# KiCad board vme-wren.kicad_pcb (continued)
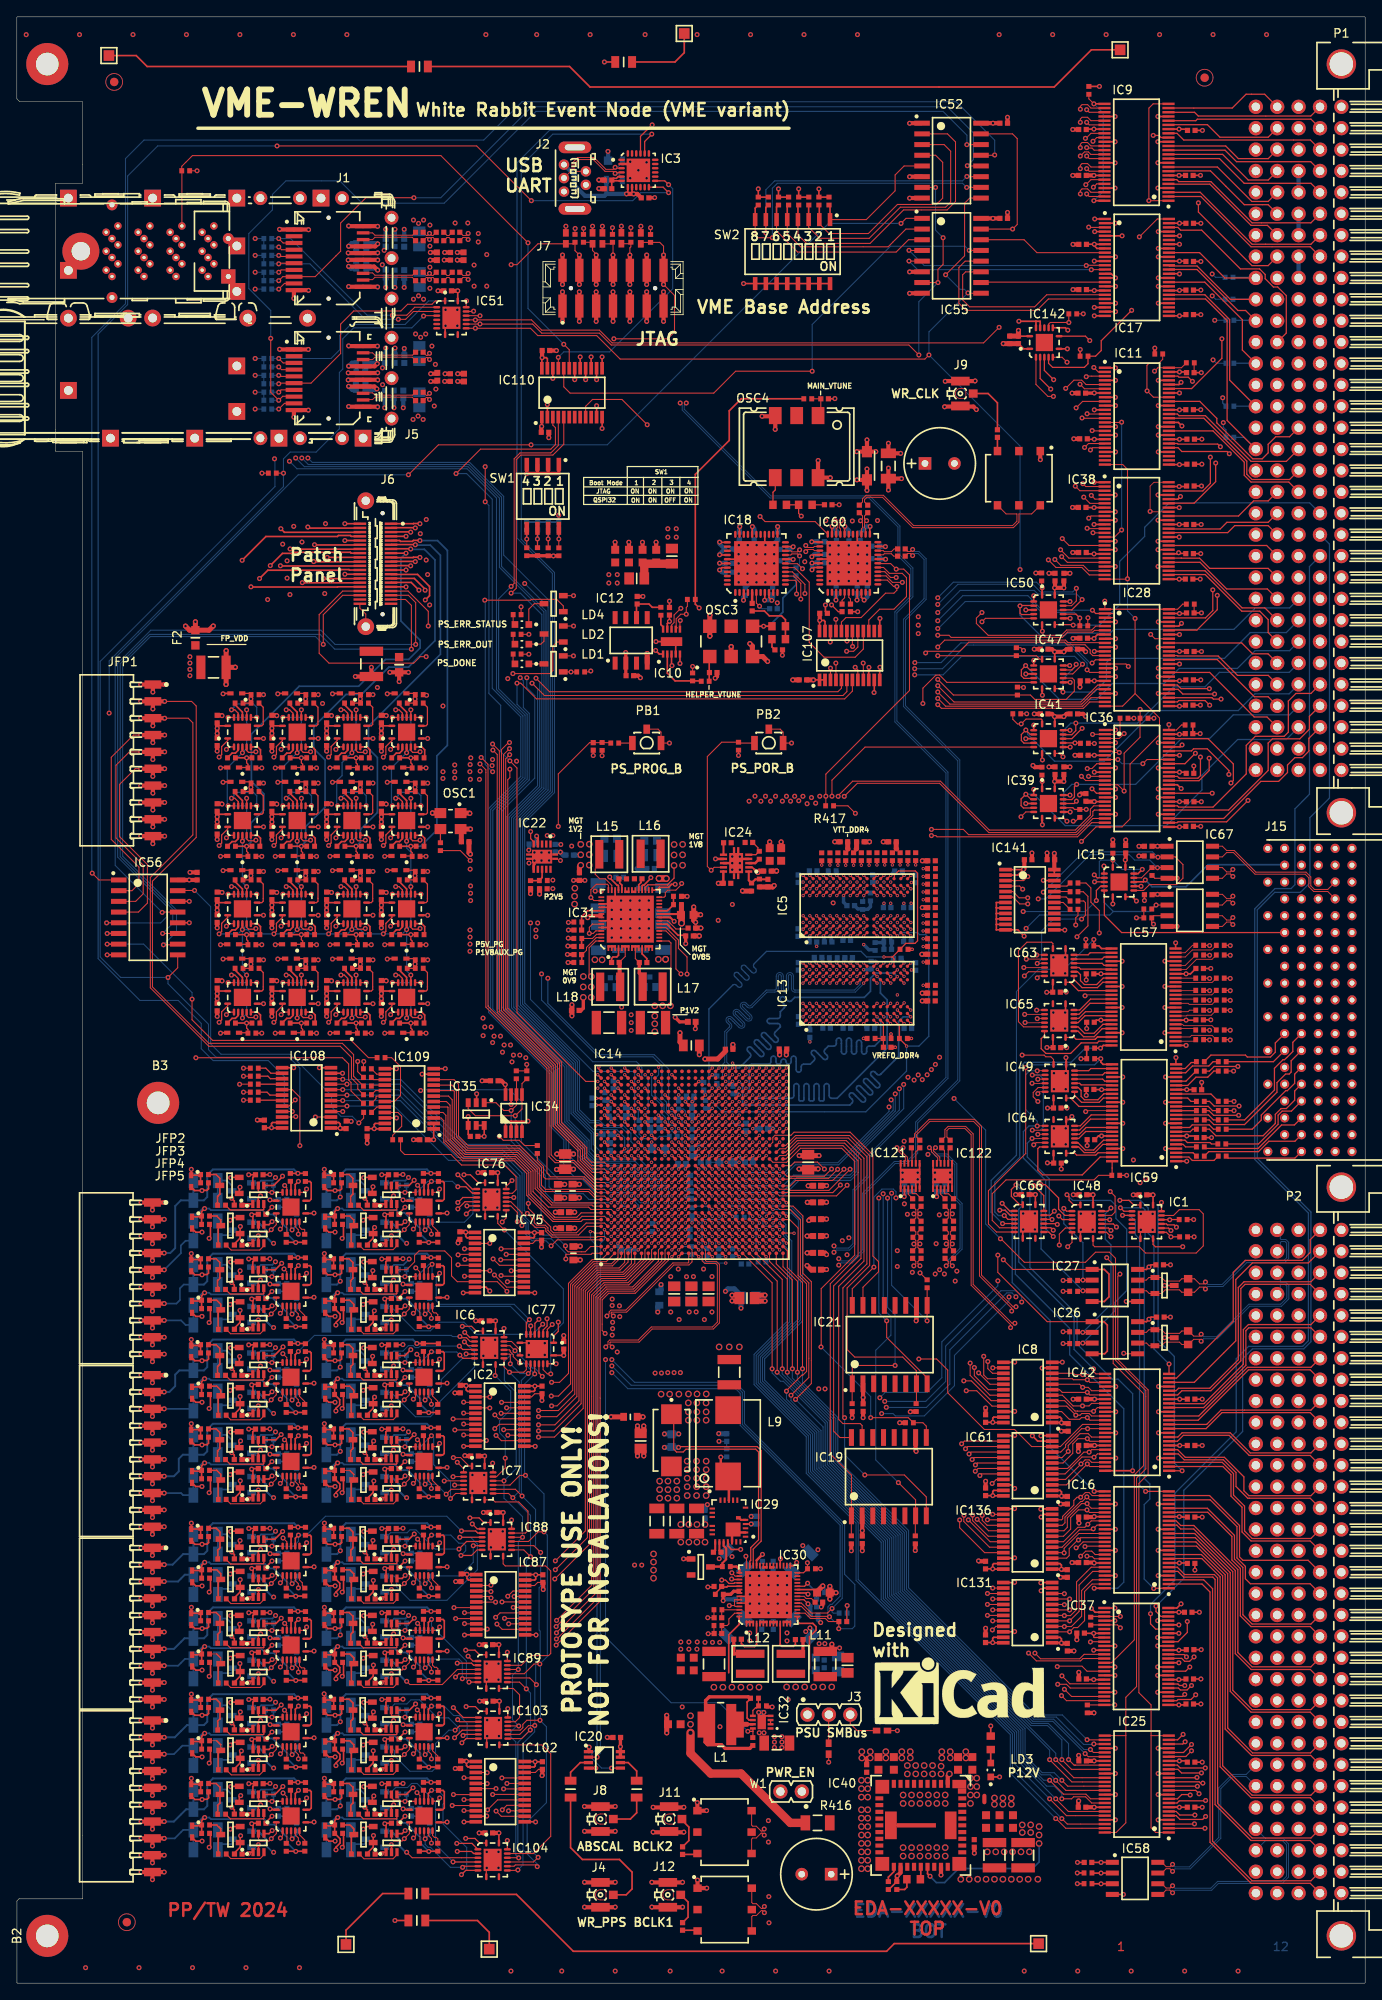
[diagram p0: board, top side]
## Nets (continued)
/fpga/fpga-config/PS_ERR_STATUS: IC14.M20 T4.1
/fpga/fpga-config/PS_INIT_B: IC14.P21 R9.1
/fpga/fpga-config/PS_MODE0: IC14.P19 R7.1 R160.2 SW1.8
/fpga/fpga-config/PS_MODE1: IC14.P20 R24.1 R161.2 SW1.7
/fpga/fpga-config/PS_MODE2: IC14.R20 R118.1 R162.2 SW1.6
/fpga/fpga-config/PS_MODE3: IC14.T20 R128.1 R163.2 SW1.5
/fpga/fpga-config/PS_PROG_B: C302.2 IC14.R17 R170.1 R191.1
/fpga/fpga-config/PS_SRST_B: D1.1 IC14.N19 J7.14 R46.1
/fpga/fpga-hd-banks/F_SFP_LED_DATA: IC14.A10 R193.1
/fpga/fpga-hp-banks/F_FP_LED0_DATA: IC14.A8 IC109.7
/fpga/fpga-hp-banks/F_FP_LED1_DATA: IC14.B8 IC109.8
/fpga/fpga-hp-banks/F_IOEXP_ALL_OE_N: IC14.K7 IC108.3
/fpga/fpga-hp-banks/F_IOEXP_ALL_RST_N: IC14.A2 IC108.7
/fpga/fpga-hp-banks/F_IOEXP_FPIO_D: IC14.B6 IC109.4
/fpga/fpga-hp-banks/F_IOEXP_FPIO_RCLK: IC14.A5 IC108.9
/fpga/fpga-hp-banks/F_IOEXP_FPIO_SCLK: IC14.B5 IC108.10
/fpga/fpga-hp-banks/F_IOEXP_GPIO_D: IC14.C7 IC109.6
/fpga/fpga-hp-banks/F_IOEXP_GPIO_Q: IC14.G8 IC110.3
/fpga/fpga-hp-banks/F_IOEXP_GPIO_RCLK: IC14.A6 IC109.3
/fpga/fpga-hp-banks/F_IOEXP_GPIO_SCLK: IC14.A7 IC109.5
/fpga/fpga-hp-banks/F_IOEXP_HWBYTE1_D: IC14.V9 IC141.4
/fpga/fpga-hp-banks/F_IOEXP_HWBYTE1_RCLK: IC14.L7 IC141.5
/fpga/fpga-hp-banks/F_IOEXP_HWBYTE2_D: IC14.AE8 IC141.3
/fpga/fpga-hp-banks/F_IOEXP_HWBYTE2_RCLK: IC14.L1 IC141.6
/fpga/fpga-hp-banks/F_IOEXP_VME_D: IC14.B3 IC108.8
/fpga/fpga-hp-banks/F_IOEXP_VME_RCLK: IC14.A3 IC108.5
/fpga/fpga-hp-banks/F_IOEXP_VME_SCLK: IC14.A1 IC108.6
/fpga/fpga-hp-banks/F_PERST_N: IC14.L8 IC110.5
/fpga/fpga-hp-banks/F_PP_LED0_DATA: IC14.A9 IC109.9
/fpga/fpga-hp-banks/F_PP_LED1_DATA: IC14.B9 IC109.10
/fpga/fpga-hp-banks/F_SPI_HELPER_CS_N: IC14.M8 IC107.8
/fpga/fpga-hp-banks/F_SPI_MAIN_CS_N: IC14.N8 IC107.9
/fpga/fpga-hp-banks/F_WR_DAC_DIN: IC14.J7 IC107.6
/fpga/fpga-hp-banks/F_WR_DAC_SCLK: IC14.K9 IC107.5
/fpga/fpga-hp-banks/F_WR_DAC_SYNC: IC14.H8 IC107.7
/fpga/fpga-hp-banks/F_WR_UART_RXD: IC14.F8 IC108.4
/fpga/fpga-hp-banks/F_WR_UART_TXD: IC14.H9 IC110.4
/fpga/fpga-hp-banks/F_WRCLK_SPI_MISO: IC14.P9 IC110.9
/fpga/fpga-hp-banks/F_WRCLK_SPI_MOSI: IC14.N7 IC107.3
/fpga/fpga-hp-banks/F_WRCLK_SPI_SCK: IC14.N9 IC107.4
/fpga/fpga-hp-banks/HP4: IC14.AE7
/fpga/fpga-hp-banks/HP9: IC14.AB7
/fpga/fpga-hp-banks/HP50: IC14.U9
/fpga/fpga-hp-banks/HP54: IC14.R8
/fpga/fpga-hp-banks/HP55: IC14.T8
/fpga/fpga-hp-banks/HP72: IC14.J6
/fpga/fpga-hp-banks/HP98: IC14.K5
/fpga/fpga-hp-banks/HP132: IC14.C8
/fpga/fpga-mgts/BCLK_B1_DBG_N: C482.1 TR3.4
/fpga/fpga-mgts/BCLK_B1_DBG_P: C484.1 TR3.6
/fpga/fpga-mgts/BCLK_B2_DBG_N: C472.1 TR1.4
/fpga/fpga-mgts/BCLK_B2_DBG_P: C473.1 TR1.6
/fpga/fpga-mgts/IC121_O1_N: C481.2 IC121.10
/fpga/fpga-mgts/IC121_O1_P: C483.2 IC121.11
/fpga/fpga-mgts/IC122_O1_N: C470.2 IC122.10
/fpga/fpga-mgts/IC122_O1_P: C471.2 IC122.11
/fpga/fpga-mgts/SansDAC_BCLK_B1_N: C476.2 C479.2 IC14.W3
/fpga/fpga-mgts/SansDAC_BCLK_B1_P: C477.2 C480.2 IC14.W4
/fpga/fpga-mgts/SansDAC_BCLK_B2_N: C469.2 C474.2 IC14.U3
/fpga/fpga-mgts/SansDAC_BCLK_B2_P: C468.2 C475.2 IC14.U4
/fpga/GTH_BCLK_B1_N: C479.1 C481.1 IC14.AF6 R444.1
/fpga/GTH_BCLK_B1_P: C480.1 C483.1 IC14.AF7 R444.2
/fpga/GTH_BCLK_B2_N: C470.1 C474.1 IC14.AF5 R445.2
/fpga/GTH_BCLK_B2_P: C471.1 C475.1 IC14.AE5 R445.1
/fpga/PL_UART_RXD: IC3.12 IC108.21
/fpga/PL_UART_TXD: IC3.13 IC110.21
/fpga/PS_POR_B: IC14.P16 IC24.9 PB2.2 R168.1
/fpga/PS_UART_RXD: IC3.20 IC14.H16
/fpga/PS_UART_TXD: IC3.21 IC14.F16
/fpga/USERIO_A.DIR0: IC1.15 IC42.1
/fpga/USERIO_A.DIR1: IC1.1 IC42.24
/fpga/USERIO_A.DIR2: IC1.2 IC16.1
/fpga/USERIO_A.DIR3: IC1.3 IC16.24
/fpga/USERIO_A.IO0: IC14.T6 IC42.46 IC61.4
/fpga/USERIO_A.IO1: IC14.U8 IC42.47 IC61.3
/fpga/USERIO_A.IO2: IC14.V8 IC42.44 IC61.5
/fpga/USERIO_A.IO3: IC14.Y8 IC42.43 IC61.6
/fpga/USERIO_A.IO4: IC14.AB5 IC42.41 IC61.7
/fpga/USERIO_A.IO5: IC14.W8 IC42.40 IC61.8
/fpga/USERIO_A.IO6: IC14.AC4 IC42.38 IC61.9
/fpga/USERIO_A.IO7: IC14.E8 IC42.37 IC61.10
/fpga/USERIO_A.IO8: IC8.4 IC14.AB2 IC42.35
/fpga/USERIO_A.IO9: IC8.3 IC14.AB4 IC42.36
/fpga/USERIO_A.IO10: IC8.5 IC14.AB3 IC42.33
/fpga/USERIO_A.IO11: IC8.6 IC14.AC2 IC42.32
/fpga/USERIO_A.IO12: IC8.7 IC14.AC3 IC42.30
/fpga/USERIO_A.IO13: IC8.8 IC14.AD2 IC42.29
/fpga/USERIO_A.IO14: IC8.9 IC14.AD4 IC42.27
/fpga/USERIO_A.IO15: IC8.10 IC14.AE2 IC42.26
/fpga/USERIO_A.IO16: IC14.M6 IC16.46 IC131.4
/fpga/USERIO_A.IO17: IC14.E7 IC16.47 IC131.3
/fpga/USERIO_A.IO18: IC14.G5 IC16.44 IC131.5
/fpga/USERIO_A.IO19: IC14.L6 IC16.43 IC131.6
/fpga/USERIO_A.IO20: IC14.J5 IC16.41 IC131.7
/fpga/USERIO_A.IO21: IC14.K3 IC16.40 IC131.8
/fpga/USERIO_A.IO22: IC14.K4 IC16.38 IC131.9
/fpga/USERIO_A.IO23: IC14.L3 IC16.37 IC131.10
/fpga/USERIO_A.IO24: IC14.J4 IC16.35 IC136.4
/fpga/USERIO_A.IO25: IC14.L5 IC16.36 IC136.3
/fpga/USERIO_A.IO26: IC14.N6 IC16.33 IC136.5
/fpga/USERIO_A.IO27: IC14.P7 IC16.32 IC136.6
/fpga/USERIO_A.IO28: IC14.P6 IC16.30 IC136.7
/fpga/USERIO_A.IO29: IC14.R7 IC16.29 IC136.8
/fpga/USERIO_A.IO30: IC14.R6 IC16.27 IC136.9
/fpga/USERIO_A.IO31: IC14.T7 IC16.26 IC136.10
/fpga/USERIO_A.OE_N0: IC42.48 IC66.15
/fpga/USERIO_A.OE_N1: IC42.25 IC66.1
/fpga/USERIO_A.OE_N2: IC16.48 IC66.2
/fpga/USERIO_A.OE_N3: IC16.25 IC66.3
/I2C.SCL: D8.1 IC14.H21 IC30.18 IC31.18 J3.3 R25.1
/I2C.SDA: D7.1 IC14.L20 IC30.19 IC31.19 J3.2 R26.1
/io_drivers_fp/bank0/EN0: IC23.1 IC23.4 IC33.5 IC76.2 R6.1
/io_drivers_fp/bank0/EN1: IC23.10 IC23.13 IC43.5 IC76.3 R10.1
/io_drivers_fp/bank0/EN2: IC44.1 IC44.4 IC45.5 IC76.6 R197.1
/io_drivers_fp/bank0/EN3: IC44.10 IC44.13 IC46.5 IC76.7 R48.1
/io_drivers_fp/bank0/EN4: IC53.1 IC53.4 IC54.5 IC77.2 R198.1
/io_drivers_fp/bank0/EN5: IC53.10 IC53.13 IC68.5 IC77.3 R49.1
/io_drivers_fp/bank0/EN6: IC69.1 IC69.4 IC70.5 IC77.6 R203.1
/io_drivers_fp/bank0/EN7: IC69.10 IC69.13 IC71.5 IC77.7 R140.1
/io_drivers_fp/bank0/OUT0: IC23.2 IC23.5 IC75.21
/io_drivers_fp/bank0/OUT1: IC23.9 IC23.12 IC75.20
/io_drivers_fp/bank0/OUT2: IC44.2 IC44.5 IC75.19
/io_drivers_fp/bank0/OUT3: IC44.9 IC44.12 IC75.18
/io_drivers_fp/bank0/OUT4: IC53.2 IC53.5 IC75.17
/io_drivers_fp/bank0/OUT5: IC53.9 IC53.12 IC75.16
/io_drivers_fp/bank0/OUT6: IC69.2 IC69.5 IC75.15
/io_drivers_fp/bank0/OUT7: IC69.9 IC69.12 IC75.14
/io_drivers_fp/bank0/TERM_EN0: IC76.15 T40.1
/io_drivers_fp/bank0/TERM_EN1: IC76.1 T5.1
/io_drivers_fp/bank0/TERM_EN2: IC76.4 T41.1
/io_drivers_fp/bank0/TERM_EN3: IC76.5 T7.1
/io_drivers_fp/bank0/TERM_EN4: IC77.15 T42.1
/io_drivers_fp/bank0/TERM_EN5: IC77.1 T9.1
/io_drivers_fp/bank0/TERM_EN6: IC77.4 T43.1
/io_drivers_fp/bank0/TERM_EN7: IC77.5 T11.1
/io_drivers_fp/bank1/EN0: IC6.2 IC78.1 IC78.4 IC79.5 R585.1
/io_drivers_fp/bank1/EN1: IC6.3 IC78.10 IC78.13 IC80.5 R154.1
/io_drivers_fp/bank1/EN2: IC6.6 IC81.1 IC81.4 IC82.5 R586.1
/io_drivers_fp/bank1/EN3: IC6.7 IC81.10 IC81.13 IC83.5 R155.1
/io_drivers_fp/bank1/EN4: IC7.2 IC84.1 IC84.4 IC85.5 R587.1
/io_drivers_fp/bank1/EN5: IC7.3 IC84.10 IC84.13 IC86.5 R177.1
/io_drivers_fp/bank1/EN6: IC7.6 IC72.1 IC72.4 IC73.5 R388.1
/io_drivers_fp/bank1/EN7: IC7.7 IC72.10 IC72.13 IC74.5 R141.1
/io_drivers_fp/bank1/IOEXP_D: IC6.14 IC77.9
/io_drivers_fp/bank1/OUT0: IC2.21 IC78.2 IC78.5
/io_drivers_fp/bank1/OUT1: IC2.20 IC78.9 IC78.12
/io_drivers_fp/bank1/OUT2: IC2.19 IC81.2 IC81.5
/io_drivers_fp/bank1/OUT3: IC2.18 IC81.9 IC81.12
/io_drivers_fp/bank1/OUT4: IC2.17 IC84.2 IC84.5
/io_drivers_fp/bank1/OUT5: IC2.16 IC84.9 IC84.12
/io_drivers_fp/bank1/OUT6: IC2.15 IC72.2 IC72.5
/io_drivers_fp/bank1/OUT7: IC2.14 IC72.9 IC72.12
/io_drivers_fp/bank1/TERM_EN0: IC6.15 T45.1
/io_drivers_fp/bank1/TERM_EN1: IC6.1 T15.1
/io_drivers_fp/bank1/TERM_EN2: IC6.4 T46.1
/io_drivers_fp/bank1/TERM_EN3: IC6.5 T19.1
/io_drivers_fp/bank1/TERM_EN4: IC7.15 T47.1
/io_drivers_fp/bank1/TERM_EN5: IC7.1 T21.1
/io_drivers_fp/bank1/TERM_EN6: IC7.4 T44.1
/io_drivers_fp/bank1/TERM_EN7: IC7.5 T13.1
/io_drivers_fp/bank2/EN0: IC88.2 IC96.1 IC96.4 IC97.5 R590.1
/io_drivers_fp/bank2/EN1: IC88.3 IC96.10 IC96.13 IC98.5 R273.1
/io_drivers_fp/bank2/EN2: IC88.6 IC90.1 IC90.4 IC91.5 R588.1
/io_drivers_fp/bank2/EN3: IC88.7 IC90.10 IC90.13 IC92.5 R178.1
/io_drivers_fp/bank2/EN4: IC89.2 IC93.1 IC93.4 IC94.5 R589.1
/io_drivers_fp/bank2/EN5: IC89.3 IC93.10 IC93.13 IC95.5 R196.1
/io_drivers_fp/bank2/EN6: IC89.6 IC99.1 IC99.4 IC100.5 R591.1
/io_drivers_fp/bank2/EN7: IC89.7 IC99.10 IC99.13 IC101.5 R274.1
/io_drivers_fp/bank2/IOEXP_D: IC7.9 IC88.14
/io_drivers_fp/bank2/OUT0: IC87.21 IC96.2 IC96.5
/io_drivers_fp/bank2/OUT1: IC87.20 IC96.9 IC96.12
/io_drivers_fp/bank2/OUT2: IC87.19 IC90.2 IC90.5
/io_drivers_fp/bank2/OUT3: IC87.18 IC90.9 IC90.12
/io_drivers_fp/bank2/OUT4: IC87.17 IC93.2 IC93.5
/io_drivers_fp/bank2/OUT5: IC87.16 IC93.9 IC93.12
/io_drivers_fp/bank2/OUT6: IC87.15 IC99.2 IC99.5
/io_drivers_fp/bank2/OUT7: IC87.14 IC99.9 IC99.12
/io_drivers_fp/bank2/TERM_EN0: IC88.15 T50.1
/io_drivers_fp/bank2/TERM_EN1: IC88.1 T27.1
/io_drivers_fp/bank2/TERM_EN2: IC88.4 T48.1
/io_drivers_fp/bank2/TERM_EN3: IC88.5 T23.1
/io_drivers_fp/bank2/TERM_EN4: IC89.15 T49.1
/io_drivers_fp/bank2/TERM_EN5: IC89.1 T25.1
/io_drivers_fp/bank2/TERM_EN6: IC89.4 T51.1
/io_drivers_fp/bank2/TERM_EN7: IC89.5 T29.1
/io_drivers_fp/bank3/EN0: IC103.2 IC105.1 IC105.4 IC106.5 R592.1
/io_drivers_fp/bank3/EN1: IC103.3 IC105.10 IC105.13 IC111.5 R287.1
/io_drivers_fp/bank3/EN2: IC103.6 IC118.1 IC118.4 IC119.5 R595.1
/io_drivers_fp/bank3/EN3: IC103.7 IC118.10 IC118.13 IC120.5 R302.1
/io_drivers_fp/bank3/EN4: IC104.2 IC112.1 IC112.4 IC113.5 R593.1
/io_drivers_fp/bank3/EN5: IC104.3 IC112.10 IC112.13 IC114.5 R288.1
/io_drivers_fp/bank3/EN6: IC104.6 IC115.1 IC115.4 IC116.5 R594.1
/io_drivers_fp/bank3/EN7: IC104.7 IC115.10 IC115.13 IC117.5 R301.1
/io_drivers_fp/bank3/IOEXP_D: IC89.9 IC103.14
/io_drivers_fp/bank3/IOEXP_Q: IC104.9
/io_drivers_fp/bank3/OUT0: IC102.21 IC105.2 IC105.5
/io_drivers_fp/bank3/OUT1: IC102.20 IC105.9 IC105.12
/io_drivers_fp/bank3/OUT2: IC102.19 IC118.2 IC118.5
/io_drivers_fp/bank3/OUT3: IC102.18 IC118.9 IC118.12
/io_drivers_fp/bank3/OUT4: IC102.17 IC112.2 IC112.5
/io_drivers_fp/bank3/OUT5: IC102.16 IC112.9 IC112.12
/io_drivers_fp/bank3/OUT6: IC102.15 IC115.2 IC115.5
/io_drivers_fp/bank3/OUT7: IC102.14 IC115.9 IC115.12
/io_drivers_fp/bank3/TERM_EN0: IC103.15 T52.1
/io_drivers_fp/bank3/TERM_EN1: IC103.1 T31.1
/io_drivers_fp/bank3/TERM_EN2: IC103.4 T55.1
/io_drivers_fp/bank3/TERM_EN3: IC103.5 T39.1
/io_drivers_fp/bank3/TERM_EN4: IC104.15 T53.1
/io_drivers_fp/bank3/TERM_EN5: IC104.1 T35.1
/io_drivers_fp/bank3/TERM_EN6: IC104.4 T54.1
/io_drivers_fp/bank3/TERM_EN7: IC104.5 T37.1
/io_drivers_fp/F_IO0: IC14.E9 IC33.4 IC75.4
/io_drivers_fp/F_IO1: IC14.J9 IC43.4 IC75.3
/io_drivers_fp/F_IO2: IC14.K8 IC45.4 IC75.5
/io_drivers_fp/F_IO3: IC14.C6 IC46.4 IC75.6
/io_drivers_fp/F_IO4: IC14.F7 IC54.4 IC75.7
/io_drivers_fp/F_IO5: IC14.F6 IC68.4 IC75.8
/io_drivers_fp/F_IO6: IC14.F5 IC70.4 IC75.9
/io_drivers_fp/F_IO7: IC14.E4 IC71.4 IC75.10
/io_drivers_fp/F_IO8: IC2.4 IC14.B1 IC79.4
/io_drivers_fp/F_IO9: IC2.3 IC14.C1 IC80.4
/io_drivers_fp/F_IO10: IC2.5 IC14.D2 IC82.4
/io_drivers_fp/F_IO11: IC2.6 IC14.D1 IC83.4
/io_drivers_fp/F_IO12: IC2.7 IC14.E2 IC85.4
/io_drivers_fp/F_IO13: IC2.8 IC14.E1 IC86.4
/io_drivers_fp/F_IO14: IC2.9 IC14.F2 IC73.4
/io_drivers_fp/F_IO15: IC2.10 IC14.F1 IC74.4
/io_drivers_fp/F_IO16: IC14.H2 IC87.4 IC97.4
/io_drivers_fp/F_IO17: IC14.G1 IC87.3 IC98.4
/io_drivers_fp/F_IO18: IC14.H1 IC87.5 IC91.4
/io_drivers_fp/F_IO19: IC14.J2 IC87.6 IC92.4
/io_drivers_fp/F_IO20: IC14.J1 IC87.7 IC94.4
/io_drivers_fp/F_IO21: IC14.K2 IC87.8 IC95.4
/io_drivers_fp/F_IO22: IC14.K1 IC87.9 IC100.4
/io_drivers_fp/F_IO23: IC14.L2 IC87.10 IC101.4
/io_drivers_fp/F_IO24: IC14.E3 IC102.4 IC106.4
/io_drivers_fp/F_IO25: IC14.F3 IC102.3 IC111.4
/io_drivers_fp/F_IO26: IC14.G6 IC102.5 IC119.4
/io_drivers_fp/F_IO27: IC14.H6 IC102.6 IC120.4
/io_drivers_fp/F_IO28: IC14.G3 IC102.7 IC113.4
/io_drivers_fp/F_IO29: IC14.H4 IC102.8 IC114.4
/io_drivers_fp/F_IO30: IC14.H3 IC102.9 IC116.4
/io_drivers_fp/F_IO31: IC14.H7 IC102.10 IC117.4
/io_drivers_fp/I_IOEXP_D_IN: IC76.14 R449.2
/io_drivers_fp/I_IOEXP_RCLK: IC6.12 IC7.12 IC76.12 IC77.12 IC88.12 IC89.12 IC103.12 IC104.12 R450.2
/io_drivers_fp/I_IOEXP_SCLK: IC6.11 IC7.11 IC76.11 IC77.11 IC88.11 IC89.11 IC103.11 IC104.11 R452.2
/io_drivers_pp/bank0/OUT0: IC61.21 IC62.2 IC62.5
/io_drivers_pp/bank0/OUT1: IC61.20 IC62.9 IC62.12
/io_drivers_pp/bank0/OUT2: IC61.19 IC124.2 IC124.5
/io_drivers_pp/bank0/OUT3: IC61.18 IC124.9 IC124.12
/io_drivers_pp/bank0/OUT4: IC61.17 IC125.2 IC125.5
/io_drivers_pp/bank0/OUT5: IC61.16 IC125.9 IC125.12
/io_drivers_pp/bank0/OUT6: IC61.15 IC126.2 IC126.5
/io_drivers_pp/bank0/OUT7: IC61.14 IC126.9 IC126.12
/io_drivers_pp/bank1/OUT0: IC8.21 IC130.2 IC130.5
/io_drivers_pp/bank1/OUT1: IC8.20 IC130.9 IC130.12
/io_drivers_pp/bank1/OUT2: IC8.19 IC127.2 IC127.5
/io_drivers_pp/bank1/OUT3: IC8.18 IC127.9 IC127.12
/io_drivers_pp/bank1/OUT4: IC8.17 IC128.2 IC128.5
/io_drivers_pp/bank1/OUT5: IC8.16 IC128.9 IC128.12
/io_drivers_pp/bank1/OUT6: IC8.15 IC129.2 IC129.5
/io_drivers_pp/bank1/OUT7: IC8.14 IC129.9 IC129.12
/io_drivers_pp/bank2/OUT0: IC131.21 IC133.2 IC133.5
/io_drivers_pp/bank2/OUT1: IC131.20 IC133.9 IC133.12
/io_drivers_pp/bank2/OUT2: IC131.19 IC132.2 IC132.5
/io_drivers_pp/bank2/OUT3: IC131.18 IC132.9 IC132.12
/io_drivers_pp/bank2/OUT4: IC131.17 IC135.2 IC135.5
/io_drivers_pp/bank2/OUT5: IC131.16 IC135.9 IC135.12
/io_drivers_pp/bank2/OUT6: IC131.15 IC134.2 IC134.5
/io_drivers_pp/bank2/OUT7: IC131.14 IC134.9 IC134.12
/io_drivers_pp/bank3/OUT0: IC136.21 IC139.2 IC139.5
/io_drivers_pp/bank3/OUT1: IC136.20 IC139.9 IC139.12
/io_drivers_pp/bank3/OUT2: IC136.19 IC140.2 IC140.5
/io_drivers_pp/bank3/OUT3: IC136.18 IC140.9 IC140.12
/io_drivers_pp/bank3/OUT4: IC136.17 IC138.2 IC138.5
/io_drivers_pp/bank3/OUT5: IC136.16 IC138.9 IC138.12
/io_drivers_pp/bank3/OUT6: IC136.15 IC137.2 IC137.5
/io_drivers_pp/bank3/OUT7: IC136.14 IC137.9 IC137.12
/IOEXP.ALL_OE_N: IC1.13 IC6.13 IC7.13 IC48.13 IC49.13 IC51.13 IC63.13 IC64.13 IC65.13 IC66.13 IC76.13 IC77.13 IC88.13 IC89.13 IC103.13 IC104.13 IC108.20 R104.1
/IOEXP.ALL_RST_N: IC1.10 IC6.10 IC7.10 IC48.10 IC49.10 IC51.10 IC52.9 IC55.9 IC56.9 IC63.10 IC64.10 IC65.10 IC66.10 IC76.10 IC77.10 IC88.10 IC89.10 IC103.10 IC104.10 IC108.17 R103.1
/IOEXP.FPIO_D: IC109.21 R449.1
/IOEXP.FPIO_RCLK: IC108.15 R450.1
/IOEXP.FPIO_SCLK: IC108.14 R452.1
/IOEXP.GPIO_D: IC109.18 R463.1
/IOEXP.GPIO_Q: IC55.13 IC110.20
/IOEXP.GPIO_RCLK: IC109.20 R460.1
/IOEXP.GPIO_SCLK: IC109.19 R462.1
/IOEXP.HWBYTE1_D: IC141.21 R399.1
/IOEXP.HWBYTE1_RCLK: IC141.19 R386.1
/IOEXP.HWBYTE2_D: IC141.20 R396.1
/IOEXP.HWBYTE2_RCLK: IC141.18 R387.1
/IOEXP.VME_D: IC108.16 R456.1
/IOEXP.VME_RCLK: IC108.19 R455.1
/IOEXP.VME_SCLK: IC108.18 R458.1
/PCIE.PER_N: C375.2 C514.2
/PCIE.PER_P: C374.2 C513.2
/PCIE.PERST_N: IC110.19 J13.C1 R446.2
/PCIE.PET_N: C233.2 C516.2
/PCIE.PET_P: C230.2 C515.2
/PCIE.REFCLK_N: IC14.Y5 J13.A2
/PCIE.REFCLK_P: IC14.Y6 J13.A1
/pcie_connector/PCIE_PER_AC_N: C514.1 J13.B5
/pcie_connector/PCIE_PER_AC_P: C513.1 J13.B4
/pcie_connector/PCIE_PET_AC_N: C516.1 J13.D5
/pcie_connector/PCIE_PET_AC_P: C515.1 J13.D4
/PP_ID0: IC56.5 J6.35
/PP_ID1: IC56.10 J6.36
/PP_ID2: IC56.11 J6.37
/PP_LED0_DATA: J6.33 R187.2
/PP_LED1_DATA: J6.34 R188.2
/PP_OE_N: IC51.4 IC62.1 IC62.4 IC62.10 IC62.13 IC124.1 IC124.4 IC124.10 IC124.13 IC125.1 IC125.4 IC125.10 IC125.13 IC126.1 IC126.4 IC126.10 IC126.13 IC127.1 IC127.4 IC127.10 IC127.13 IC128.1 IC128.4 IC128.10 IC128.13 IC129.1 IC129.4 IC129.10 IC129.13 IC130.1 IC130.4 IC130.10 IC130.13 IC132.1 IC132.4 IC132.10 IC132.13 IC133.1 IC133.4 IC133.10 IC133.13 IC134.1 IC134.4 IC134.10 IC134.13 IC135.1 IC135.4 IC135.10 IC135.13 IC137.1 IC137.4 IC137.10 IC137.13 IC138.1 IC138.4 IC138.10 IC138.13 IC139.1 IC139.4 IC139.10 IC139.13 IC140.1 IC140.4 IC140.10 IC140.13 R316.1
/PP_OUT0: D77.1 J6.1 R93.2 R164.2 R309.2
/PP_OUT1: D78.1 J6.2 R281.2 R295.2 R323.2
/PP_OUT2: D79.1 J6.3 R337.2 R351.2 R410.2
/PP_OUT3: D80.1 J6.4 R365.2 R379.2 R424.2
/PP_OUT4: D81.1 J6.5 R438.2 R448.2 R510.2
/PP_OUT5: D82.1 J6.6 R508.2 R509.2 R511.2
/PP_OUT6: D83.1 J6.7 R512.2 R513.2 R516.2
/PP_OUT7: D84.1 J6.8 R514.2 R515.2 R517.2
/PP_OUT8: D89.1 J6.9 R530.2 R531.2 R534.2
/PP_OUT9: D90.1 J6.10 R532.2 R533.2 R535.2
/PP_OUT10: D75.1 J6.11 R218.2 R219.2 R262.2
/PP_OUT11: D76.1 J6.12 R220.2 R261.2 R267.2
/PP_OUT12: D85.1 J6.13 R518.2 R519.2 R522.2
/PP_OUT13: D86.1 J6.14 R520.2 R521.2 R523.2
/PP_OUT14: D87.1 J6.15 R524.2 R525.2 R528.2
/PP_OUT15: D88.1 J6.16 R526.2 R527.2 R529.2
/PP_OUT16: D93.1 J6.17 R542.2 R543.2 R546.2
/PP_OUT17: D94.1 J6.18 R544.2 R545.2 R547.2
/PP_OUT18: D91.1 J6.19 R536.2 R537.2 R540.2
/PP_OUT19: D92.1 J6.20 R538.2 R539.2 R541.2
/PP_OUT20: D97.1 J6.21 R554.2 R555.2 R558.2
/PP_OUT21: D98.1 J6.22 R556.2 R557.2 R559.2
/PP_OUT22: D95.1 J6.23 R548.2 R549.2 R552.2
/PP_OUT23: D96.1 J6.24 R550.2 R551.2 R553.2
/PP_OUT24: D103.1 J6.25 R572.2 R573.2 R576.2
/PP_OUT25: D104.1 J6.26 R574.2 R575.2 R577.2
/PP_OUT26: D105.1 J6.27 R578.2 R579.2 R582.2
/PP_OUT27: D106.1 J6.28 R580.2 R581.2 R583.2
/PP_OUT28: D101.1 J6.29 R566.2 R567.2 R570.2
/PP_OUT29: D102.1 J6.30 R568.2 R569.2 R571.2
/PP_OUT30: D99.1 J6.31 R560.2 R561.2 R564.2
/PP_OUT31: D100.1 J6.32 R562.2 R563.2 R565.2
/PP_VDD: C369.1 F1.2 J6.38 J6.39
/PS-QSPI.LWR_CLK: IC14.AG15 IC19.16
/PS-QSPI.LWR_CSN: IC14.AD16 IC19.7 R8.1
/PS-QSPI.LWR_DQ0: IC14.AH16 IC19.15
/PS-QSPI.LWR_DQ1: IC14.AG16 IC19.8
/PS-QSPI.LWR_DQ2: IC14.AF15 IC19.9 R12.1
/PS-QSPI.LWR_DQ3: IC14.AH15 IC19.1 R13.1
/PS-QSPI.UWR_CLK: IC14.AC17 IC21.16
/PS-QSPI.UWR_CSN: IC14.AH17 IC21.7 R14.1
/PS-QSPI.UWR_DQ0: IC14.AF17 IC21.15
/PS-QSPI.UWR_DQ1: IC14.AC16 IC21.8
/PS-QSPI.UWR_DQ2: IC14.AD17 IC21.9 R15.1
/PS-QSPI.UWR_DQ3: IC14.AE17 IC21.1 R16.1
/SFP0.RX_N: C61.1 IC14.T1
/SFP0.RX_P: C60.1 IC14.T2
/SFP0.TX_N: C89.1 IC14.R3
/SFP0.TX_P: C64.1 IC14.R4
/SFP0/SFP_RD_C_N: C61.2 J5.12
/SFP0/SFP_RD_C_P: C60.2 J5.13
/SFP0/SFP_TD_C_N: C89.2 J5.19
/SFP0/SFP_TD_C_P: C64.2 J5.18
/SFP0/SFP_VCCR: C3.2 C4.2 C5.1 C12.2 C13.2 J5.15 L3.1
/SFP0/SFP_VCCT: C9.2 C10.2 C11.2 C102.2 C103.1 J5.16 L4.1
/SFP0_MODABS: IC51.1 J5.6 R255.1
/SFP0_RSSI: IC52.14 J5.8 R19.1
/SFP0_SCL: IC14.C12 J5.5 R31.1
/SFP0_SDA: IC14.A15 J5.4 R30.1
/SFP0_TXDIS: IC51.15 J5.3 R254.1
/SFP1.RX_N: C366.1 C375.1 IC14.P1
/SFP1.RX_P: C365.1 C374.1 IC14.P2
/SFP1.TX_N: C233.1 C368.1 IC14.N3
/SFP1.TX_P: C230.1 C367.1 IC14.N4
/SFP1/SFP_RD_C_N: C366.2 J1.12
/SFP1/SFP_RD_C_P: C365.2 J1.13
/SFP1/SFP_TD_C_N: C368.2 J1.19
/SFP1/SFP_TD_C_P: C367.2 J1.18
/SFP1/SFP_VCCR: C355.2 C357.2 C359.2 C361.2 C363.1 J1.15 L8.1
/SFP1/SFP_VCCT: C356.2 C358.2 C360.2 C362.2 C364.1 J1.16 L19.1
/SFP1_MODABS: IC51.3 J1.6 R392.1
/SFP1_RSSI: IC52.12 J1.8 R394.1
/SFP1_SCL: IC14.B15 J1.5 R391.1
/SFP1_SDA: IC14.D15 J1.4 R389.1
/SFP1_TXDIS: IC51.2 J1.3 R390.1
/SFP_LED_DATA: JFP1.7 R193.2
/slow_gpio/GPIO_OUT5: IC51.5
/slow_gpio/GPIO_OUT6: IC51.6
/slow_gpio/GPIO_OUT7: IC51.7
/slow_gpio/I_IOEXP_RCLK: IC51.12 IC52.15 IC55.15 IC56.15 R460.2
/slow_gpio/I_IOEXP_SCLK: IC51.11 IC52.7 IC55.7 IC56.7 R462.2
/STRIP1_H: R398.2 TP1.1
/STRIP1_L: R400.2 TP4.1
/STRIP2_H: R397.2 TP3.1
/STRIP2_L: R401.2 TP6.1
/SWITCH0_N: IC52.11 R343.2 SW2.7
/SWITCH1_N: IC52.10 R330.2 SW2.8
/user_interface/USB_D_N: IC3.4 IC4.3 J2.2
/user_interface/USB_D_P: IC3.3 IC4.2 J2.3
/user_interface/USB_VBUS: C148.1 IC3.7 IC3.8 IC4.4 J2.1
/vme_interface/F_HWBYTE.H1_0: IC63.15 IC123.36
/vme_interface/F_HWBYTE.H1_1: IC63.1 IC123.35
/vme_interface/F_HWBYTE.H1_2: IC63.2 IC123.33
/vme_interface/F_HWBYTE.H1_3: IC63.3 IC123.32
/vme_interface/F_HWBYTE.H1_4: IC63.4 IC123.30
/vme_interface/F_HWBYTE.H1_5: IC63.5 IC123.29
/vme_interface/F_HWBYTE.H1_6: IC63.6 IC123.27
/vme_interface/F_HWBYTE.H1_7: IC63.7 IC123.26
/vme_interface/F_HWBYTE.H1_OE_N: IC66.5 IC123.25 R148.1
/vme_interface/F_HWBYTE.H2_0: IC49.15 IC59.36
/vme_interface/F_HWBYTE.H2_1: IC49.1 IC59.35
/vme_interface/F_HWBYTE.H2_2: IC49.2 IC59.33
/vme_interface/F_HWBYTE.H2_3: IC49.3 IC59.32
/vme_interface/F_HWBYTE.H2_4: IC49.4 IC59.30
/vme_interface/F_HWBYTE.H2_5: IC49.5 IC59.29
/vme_interface/F_HWBYTE.H2_6: IC49.6 IC59.27
/vme_interface/F_HWBYTE.H2_7: IC49.7 IC59.26
/vme_interface/F_HWBYTE.H2_OE_N: IC59.25 IC66.7 R186.1
/vme_interface/F_HWBYTE.L1_0: IC65.15 IC123.47
/vme_interface/F_HWBYTE.L1_1: IC65.1 IC123.46
/vme_interface/F_HWBYTE.L1_2: IC65.2 IC123.44
/vme_interface/F_HWBYTE.L1_3: IC65.3 IC123.43
/vme_interface/F_HWBYTE.L1_4: IC65.4 IC123.41
/vme_interface/F_HWBYTE.L1_5: IC65.5 IC123.40
/vme_interface/F_HWBYTE.L1_6: IC65.6 IC123.38
/vme_interface/F_HWBYTE.L1_7: IC65.7 IC123.37
/vme_interface/F_HWBYTE.L1_OE_N: IC66.4 IC123.48 R133.1
/vme_interface/F_HWBYTE.L2_0: IC59.47 IC64.15
/vme_interface/F_HWBYTE.L2_1: IC59.46 IC64.1
/vme_interface/F_HWBYTE.L2_2: IC59.44 IC64.2
/vme_interface/F_HWBYTE.L2_3: IC59.43 IC64.3
/vme_interface/F_HWBYTE.L2_4: IC59.41 IC64.4
/vme_interface/F_HWBYTE.L2_5: IC59.40 IC64.5
/vme_interface/F_HWBYTE.L2_6: IC59.38 IC64.6
/vme_interface/F_HWBYTE.L2_7: IC59.37 IC64.7
/vme_interface/F_HWBYTE.L2_OE_N: IC59.48 IC66.6 R171.1
/vme_interface/HWBYTE.H1_0: J15.B19 R221.2
/vme_interface/HWBYTE.H1_1: J15.B18 R224.2
/vme_interface/HWBYTE.H1_2: J15.B17 R225.2
/vme_interface/HWBYTE.H1_3: J15.B16 R228.2
/vme_interface/HWBYTE.H1_4: J15.B15 R229.2
/vme_interface/HWBYTE.H1_5: J15.B14 R230.2
/vme_interface/HWBYTE.H1_6: J15.B13 R231.2
/vme_interface/HWBYTE.H1_7: J15.B12 R232.2
/vme_interface/HWBYTE.H2_0: J15.E19 R116.2
/vme_interface/HWBYTE.H2_1: J15.E18 R249.2
/vme_interface/HWBYTE.H2_2: J15.E17 R250.2
/vme_interface/HWBYTE.H2_3: J15.E16 R252.2
/vme_interface/HWBYTE.H2_4: J15.E15 R256.2
/vme_interface/HWBYTE.H2_5: J15.E14 R257.2
/vme_interface/HWBYTE.H2_6: J15.E13 R258.2
/vme_interface/HWBYTE.H2_7: J15.E12 R259.2
/vme_interface/HWBYTE.L1_0: J15.A19 R233.2
/vme_interface/HWBYTE.L1_1: J15.A18 R234.2
/vme_interface/HWBYTE.L1_2: J15.A17 R235.2
/vme_interface/HWBYTE.L1_3: J15.A16 R236.2
/vme_interface/HWBYTE.L1_4: J15.A15 R237.2
/vme_interface/HWBYTE.L1_5: J15.A14 R238.2
/vme_interface/HWBYTE.L1_6: J15.A13 R239.2
/vme_interface/HWBYTE.L1_7: J15.A12 R240.2
/vme_interface/HWBYTE.L2_0: J15.D19 R241.2
/vme_interface/HWBYTE.L2_1: J15.D18 R242.2
/vme_interface/HWBYTE.L2_2: J15.D17 R243.2
/vme_interface/HWBYTE.L2_3: J15.D16 R244.2
/vme_interface/HWBYTE.L2_4: J15.D15 R245.2
/vme_interface/HWBYTE.L2_5: J15.D14 R246.2
/vme_interface/HWBYTE.L2_6: J15.D13 R247.2
/vme_interface/HWBYTE.L2_7: J15.D12 R248.2
/vme_interface/I_HWBYTE1_D: IC63.14 R399.2
/vme_interface/I_HWBYTE1_Q: IC63.9 IC65.14
/vme_interface/I_HWBYTE1_RCLK: IC63.12 IC65.12 R386.2
/vme_interface/I_HWBYTE2_D: IC49.14 R396.2
/vme_interface/I_HWBYTE2_Q: IC49.9 IC64.14
/vme_interface/I_HWBYTE2_RCLK: IC49.12 IC64.12 R387.2
/vme_interface/I_IOEXP_RCLK: IC1.12 IC48.12 IC66.12 R455.2
/vme_interface/I_IOEXP_SCLK: IC1.11 IC48.11 IC49.11 IC63.11 IC64.11 IC65.11 IC66.11 R458.2
/vme_interface/LVDS_BUNCHCLK1_N: IC67.8 J15.B3
/vme_interface/LVDS_BUNCHCLK1_P: IC67.7 J15.B4
/vme_interface/LVDS_BUNCHCLK2_N: IC67.5 J15.E3
/vme_interface/LVDS_BUNCHCLK2_P: IC67.6 J15.E4
/vme_interface/LVDS_TURNCLK1_N: IC57.8 J15.B7
/vme_interface/LVDS_TURNCLK1_P: IC57.7 J15.B8
/vme_interface/LVDS_TURNCLK2_N: IC57.5 J15.E7
/vme_interface/LVDS_TURNCLK2_P: IC57.6 J15.E8
/vme_interface/P0_OE_N: IC15.1 IC15.4 IC15.10 IC15.13 IC48.4 R260.1
/vme_interface/RS485_DATA0_DE: IC27.3 IC48.3 R121.2
/vme_interface/RS485_DATA0_N: D30.1 IC27.7 P2.C2 R87.2
/vme_interface/RS485_DATA0_P: D30.2 IC27.6 P2.C1 R87.1
/vme_interface/RS485_DATA0_RE_N: IC27.2 IC48.2 R69.1
/vme_interface/RS485_DATA1_DE: IC26.3 IC48.1 R68.2
/vme_interface/RS485_DATA1_N: D29.1 IC26.7 P2.C4 R88.2
/vme_interface/RS485_DATA1_P: D29.2 IC26.6 P2.C3 R88.1
/vme_interface/RS485_DATA1_RE_N: IC26.2 IC48.15 R117.1
/vme_interface/TTC_DATA0_N: IC58.8 P2.D26
/vme_interface/TTC_DATA0_P: IC58.7 P2.D27
/vme_interface/TTC_DATA1_N: IC58.5 P2.D29
/vme_interface/TTC_DATA1_P: IC58.6 P2.D30
/vme_interface/TTL_BUNCHCLK1: IC15.8 J15.B2
/vme_interface/TTL_BUNCHCLK2: IC15.11 J15.E2
/vme_interface/TTL_TURNCLK1: IC15.3 J15.B6
/vme_interface/TTL_TURNCLK2: IC15.6 J15.E6
/vme_interface/vme_buffers_addr/VMEPX.A1: IC36.27 P1.A30
/vme_interface/vme_buffers_addr/VMEPX.A2: IC36.29 P1.A29
/vme_interface/vme_buffers_addr/VMEPX.A3: IC36.30 P1.A28
/vme_interface/vme_buffers_addr/VMEPX.A4: IC28.26 P1.A27
/vme_interface/vme_buffers_addr/VMEPX.A5: IC28.27 P1.A26
/vme_interface/vme_buffers_addr/VMEPX.A6: IC28.29 P1.A25
/vme_interface/vme_buffers_addr/VMEPX.A7: IC28.30 P1.A24
/vme_interface/vme_buffers_addr/VMEPX.A8: IC28.33 P1.C30
/vme_interface/vme_buffers_addr/VMEPX.A9: IC28.36 P1.C29
/vme_interface/vme_buffers_addr/VMEPX.A10: IC28.37 P1.C28
/vme_interface/vme_buffers_addr/VMEPX.A11: IC28.40 P1.C27
/vme_interface/vme_buffers_addr/VMEPX.A12: IC38.26 P1.C26
/vme_interface/vme_buffers_addr/VMEPX.A13: IC38.27 P1.C25
/vme_interface/vme_buffers_addr/VMEPX.A14: IC38.29 P1.C24
/vme_interface/vme_buffers_addr/VMEPX.A15: IC38.30 P1.C23
/vme_interface/vme_buffers_addr/VMEPX.A16: IC38.33 P1.C22
/vme_interface/vme_buffers_addr/VMEPX.A17: IC38.36 P1.C21
/vme_interface/vme_buffers_addr/VMEPX.A18: IC38.37 P1.C20
/vme_interface/vme_buffers_addr/VMEPX.A19: IC38.40 P1.C19
/vme_interface/vme_buffers_addr/VMEPX.A20: IC36.33 P1.C18
/vme_interface/vme_buffers_addr/VMEPX.A21: IC36.36 P1.C17
